# Altium PCB 191228 PCB.PcbDoc (part 1 of 3)
Units mm, origin at the board's own origin, x right, y up, seen from the top; angles counter-clockwise.
Board outline 140 x 119 mm, 6 copper layers (SIGNAL1, GND1, POWER, GND2, SIGNAL2, GND3), stack 1.551 mm thick; 287 components, 145 nets, 826 pads, 579 vias.
Unrouted connection lines stored in the file: 22.
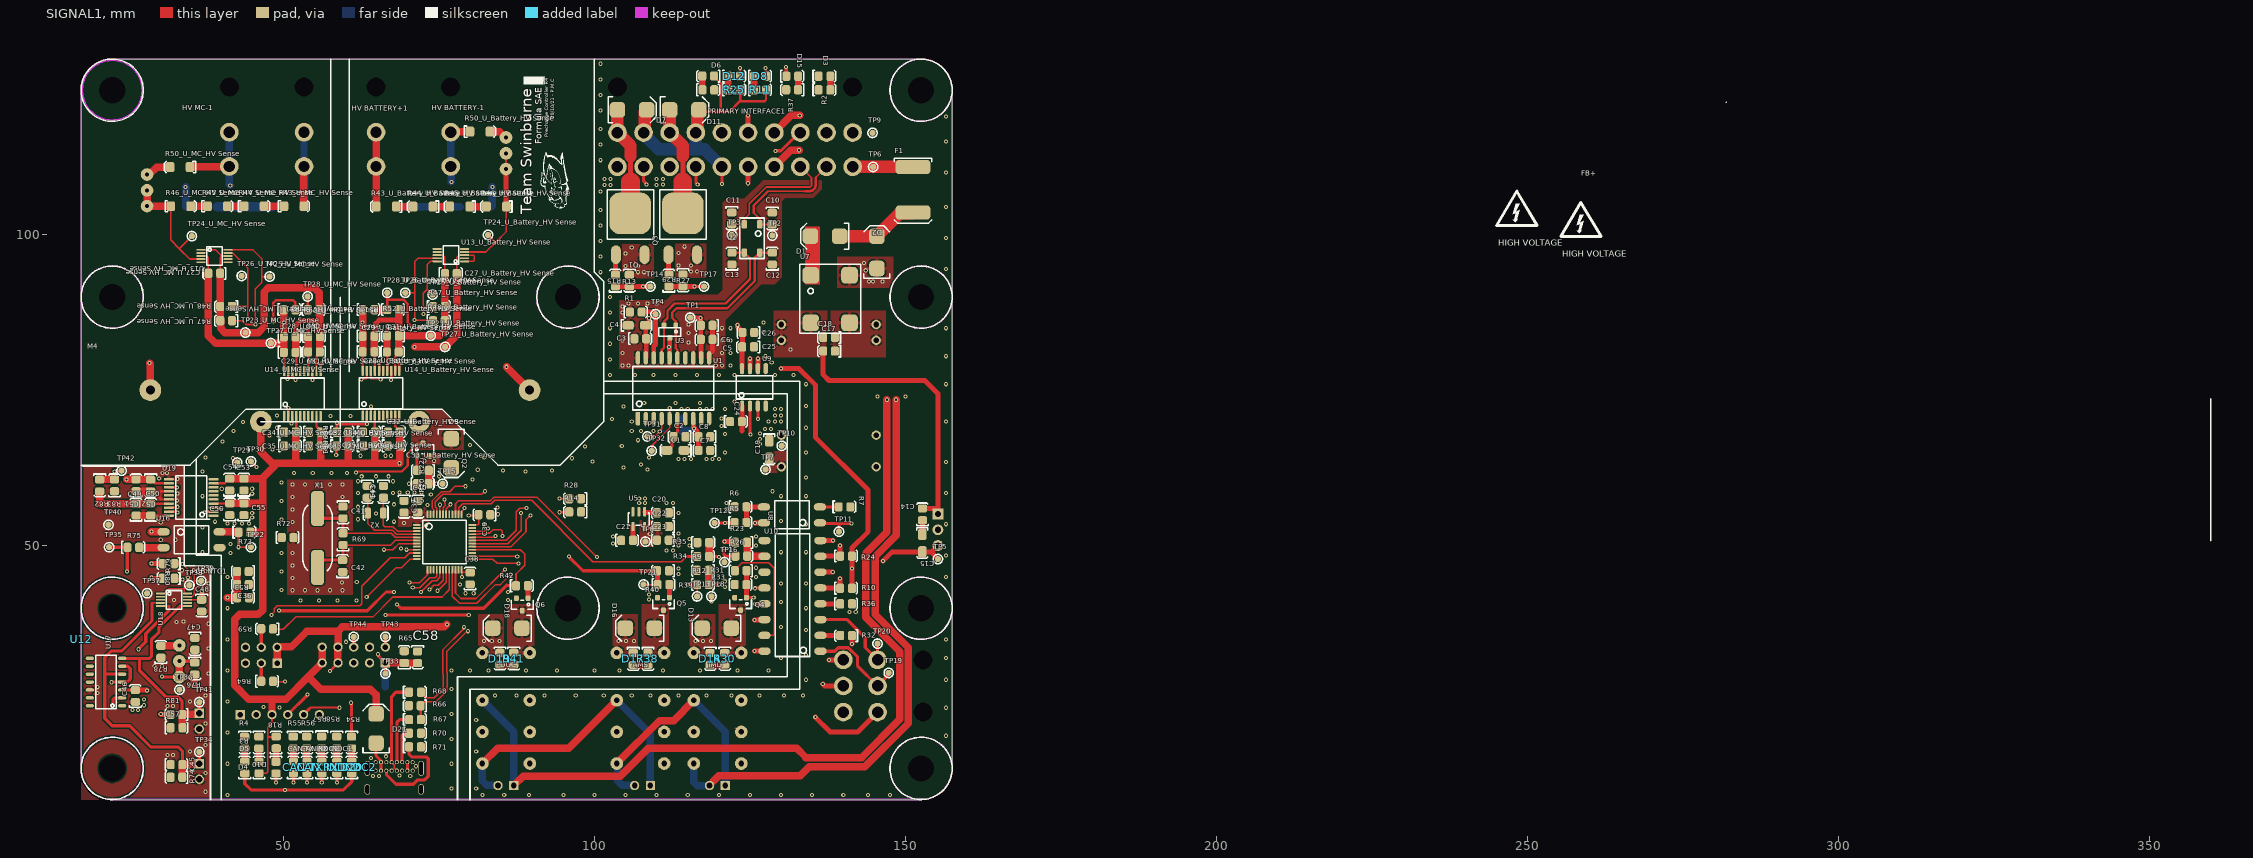
[diagram p0: SIGNAL1 view]
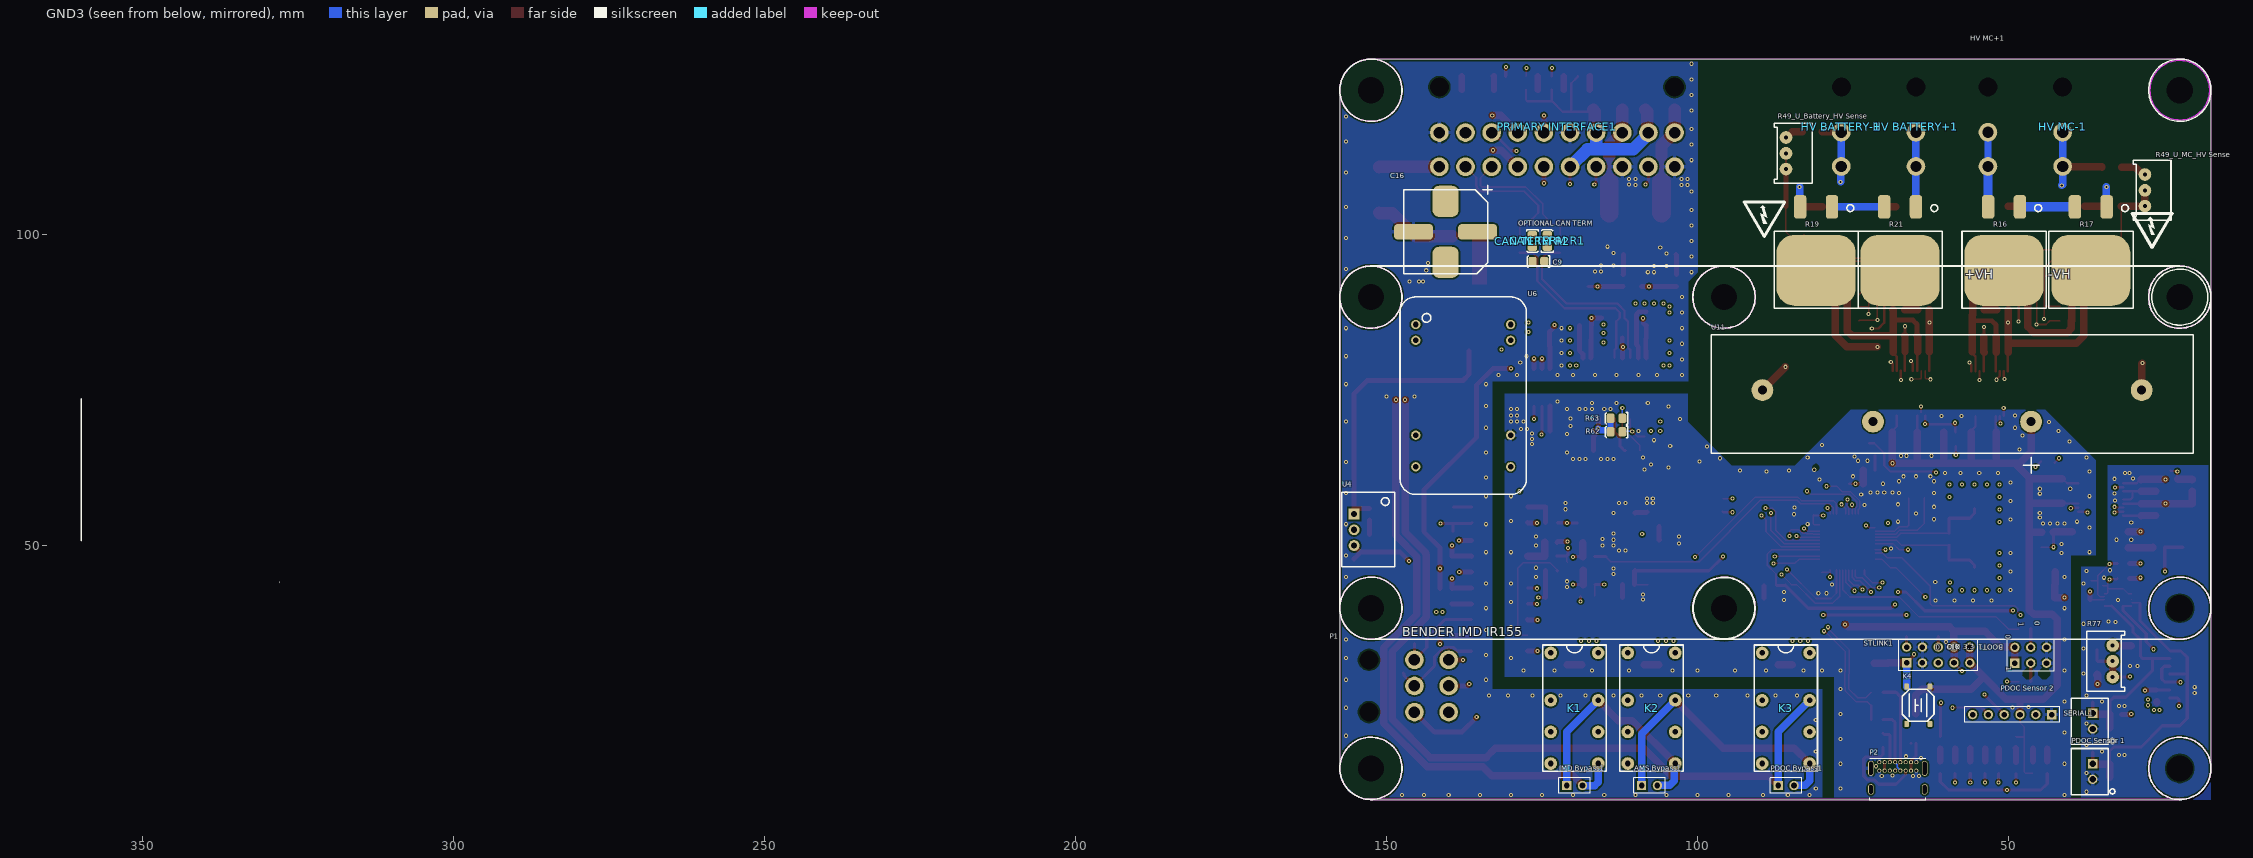
[diagram p1: GND3 view, seen from below]
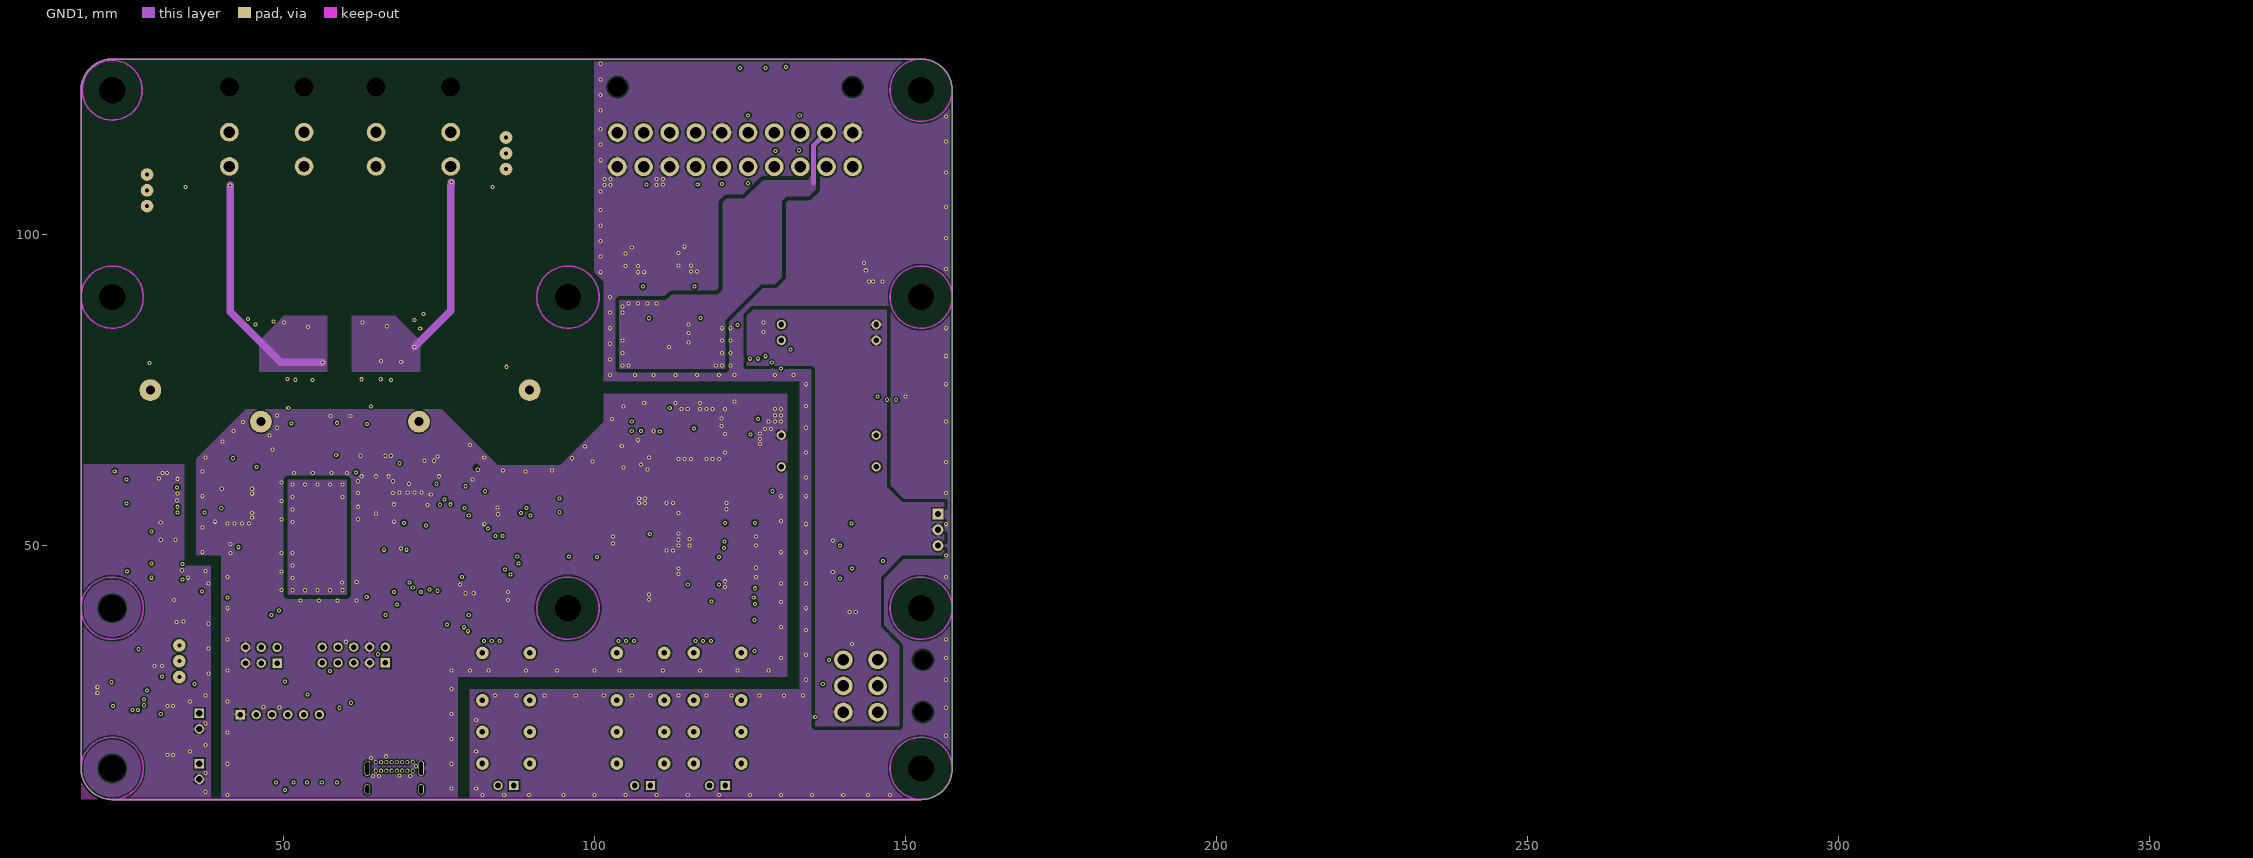
[diagram p2: GND1]
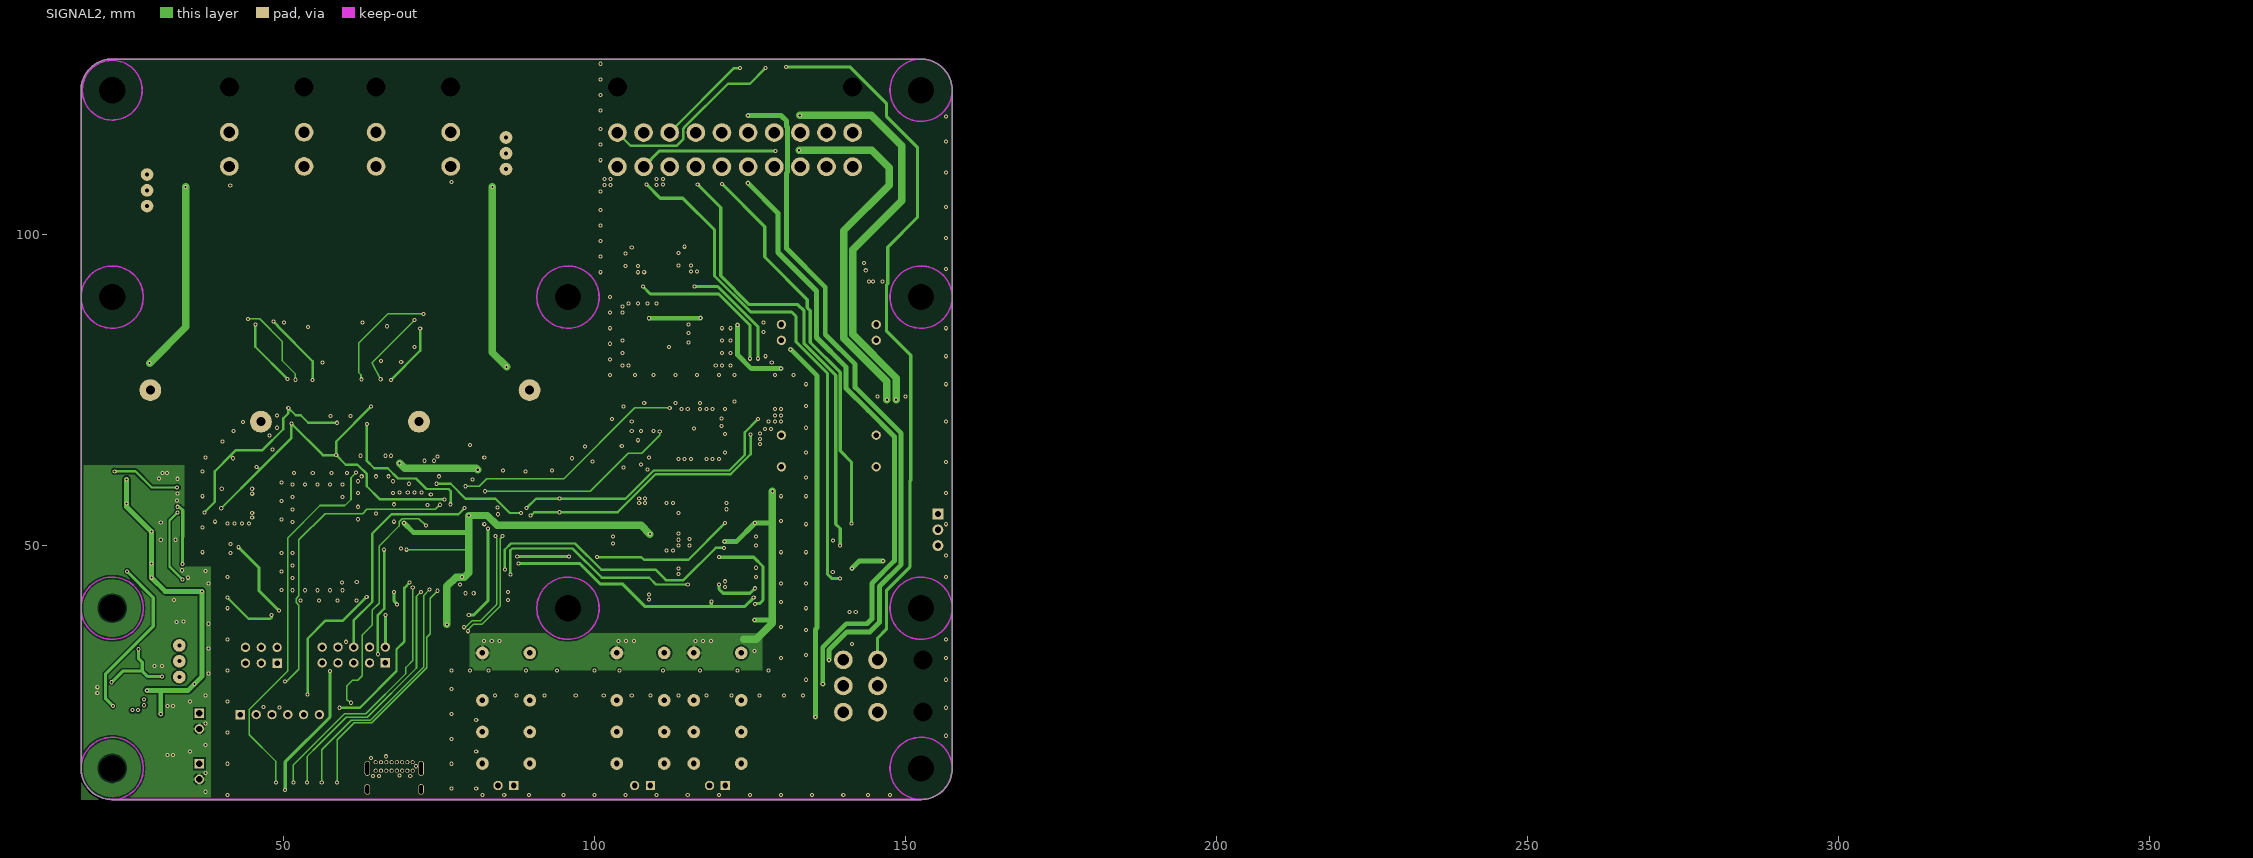
[diagram p3: SIGNAL2]

## Layer stack, top to bottom
Top Solder: solder mask 0.0254, SM-001, Dk 4
SIGNAL1: signal copper 0.035
Dielectric 1: prepreg 0.0711, PP-006, Dk 4.1
Dielectric 2: prepreg 0.0711, PP-006, Dk 4.1
GND1: signal copper 0.035
Dielectric 3: core 0.4572, Core-035, Dk 4.7
POWER: signal copper 0.035
Dielectric 4: prepreg 0.0711, PP-006, Dk 4.1
Dielectric 5: prepreg 0.0711, PP-006, Dk 4.1
GND2: signal copper 0.035
Dielectric 6: core 0.4572, Core-035, Dk 4.7
SIGNAL2: signal copper 0.035
Dielectric 7: prepreg 0.0711, PP-006, Dk 4.1
Dielectric 8: prepreg 0.0711, PP-006, Dk 4.1
GND3: signal copper 0.035
Bottom Solder: solder mask 0.0254, SM-001, Dk 4

## Board outline
17.5,14.25 ccw(c22.5,14.25) 22.5,9.25 152.5,9.25 ccw(c152.5,14.25) 157.5,14.25 157.5,123.25 ccw(c152.5,123.25) 152.5,128.25 22.5,128.25 ccw(c22.5,123.25) 17.5,123.25

## Design rules (kind name [scope] priority, off if disabled: settings)
Clearance "HV - Microclearance" [InNetClass('HV') vs InNetClass('MICROCONTROLLER')] p1: gap=4 ignorepadtopadclearanceinfootprint=TRUE
Clearance "HV - Vehicle" [InNetClass('HV') vs InNetClass('VEHICLE')] p2: gap=4 ignorepadtopadclearanceinfootprint=TRUE
Clearance "HV - PDOC" [InNetClass('HV') vs InNetClass('PDOC (ISO)')] p3: gap=4 ignorepadtopadclearanceinfootprint=TRUE
Clearance [All] p4: gap=0.254 ignorepadtopadclearanceinfootprint=FALSE except(0: Arc-Hole Track-Hole SMDPad-Hole THPad-Hole Via-Hole Fill-Hole Poly-Hole Region-Hole Text-Hole; 0.1: THPad-THPad; 0.152: Arc-SMDPad Track-SMDPad SMDPad-SMDPad; 0.2: Arc-THPad Track-THPad SMDPad-THPad THPad-Via; 0.203: Arc-Arc Arc-Track Arc-Region Track-Track Track-Region SMDPad-Region THPad-Region Via-Region Fill-Region Poly-Region Region-Region; 0.6: Poly-Poly)
DiffPairsRouting USB_DIFF_PAIR [InDifferentialPair('USB')] p1: maxlimit=0.508 minlimit=0.3 mostfreqgap=0.381 toplayer_minwidth=0.2 toplayer_maxwidth=0.381 toplayer_prefwidth=0.254 midlayer1_minwidth=0.2 midlayer1_maxwidth=0.381 midlayer1_prefwidth=0.254 midlayer2_minwidth=0.2 midlayer2_maxwidth=0.381 midlayer2_prefwidth=0.254 midlayer3_minwidth=0.2 midlayer3_maxwidth=0.381 midlayer3_prefwidth=0.254 midlayer4_minwidth=0.2 midlayer4_maxwidth=0.381 midlayer4_prefwidth=0.254 bottomlayer_minwidth=0.2 bottomlayer_maxwidth=0.381 bottomlayer_prefwidth=0.254 maxuncoupledlength=12.7
DiffPairsRouting CAN_DIFF_PAIR [InDifferentialPairClass('CAN_IN')] p2: maxlimit=0.6 minlimit=0.5 mostfreqgap=0.508 toplayer_minwidth=0.2 toplayer_maxwidth=0.25 toplayer_prefwidth=0.203 midlayer1_minwidth=0.2 midlayer1_maxwidth=0.25 midlayer1_prefwidth=0.203 midlayer2_minwidth=0.2 midlayer2_maxwidth=0.25 midlayer2_prefwidth=0.203 midlayer3_minwidth=0.2 midlayer3_maxwidth=0.25 midlayer3_prefwidth=0.203 midlayer4_minwidth=0.2 midlayer4_maxwidth=0.25 midlayer4_prefwidth=0.203 bottomlayer_minwidth=0.2 bottomlayer_maxwidth=0.25 bottomlayer_prefwidth=0.203 maxuncoupledlength=12.7
DiffPairsRouting [All] p3: maxlimit=0.254 minlimit=0.254 mostfreqgap=0.254 toplayer_minwidth=0.381 toplayer_maxwidth=0.381 toplayer_prefwidth=0.381 midlayer1_minwidth=0.381 midlayer1_maxwidth=0.381 midlayer1_prefwidth=0.381 midlayer2_minwidth=0.381 midlayer2_maxwidth=0.381 midlayer2_prefwidth=0.381 midlayer3_minwidth=0.381 midlayer3_maxwidth=0.381 midlayer3_prefwidth=0.381 midlayer4_minwidth=0.381 midlayer4_maxwidth=0.381 midlayer4_prefwidth=0.381 bottomlayer_minwidth=0.381 bottomlayer_maxwidth=0.381 bottomlayer_prefwidth=0.381 maxuncoupledlength=12.7
Height [All] p1: minheight=0 maxheight=50 prefheight=12.7
HoleSize [All] p1: absolutevalues=TRUE maxlimit=10 minlimit=0.025 maxpercent=80.000 minpercent=20.000
MatchedLengths DiffPair_MatchedLengths [InDifferentialPairClass('CAN_IN')] p1: tolerance=25.4 checknetsindiffpair=FALSE checkdiffpairvsdiffpair=TRUE checkxsignals=TRUE checkothers=TRUE
PlaneClearance [All] p1: clearance=0.4
PlaneConnect [All] p1: pad.planeconnectstyle=Relief pad.reliefexpansion=0.508 pad.reliefentries=4 pad.reliefconductorwidth=0.8 pad.reliefairgap=0.254 via.planeconnectstyle=Direct via.reliefexpansion=0.508 via.reliefentries=4 via.reliefconductorwidth=0.8 via.reliefairgap=0.254
PolygonConnect [All] p1: thpad.connectstyle=Relief thpad.reliefconductorwidth=0.6 thpad.reliefentries=4 thpad.polygonreliefangle="90 Angle" thpad.airgapwidth=0.254 smdpad.connectstyle=Relief smdpad.reliefconductorwidth=0.6 smdpad.reliefentries=4 smdpad.polygonreliefangle="90 Angle" smdpad.airgapwidth=0.254 via.connectstyle=Direct via.reliefconductorwidth=0.6 via.reliefentries=4 via.polygonreliefangle="90 Angle" via.airgapwidth=0.254
RoutingVias [All] p1: holewidth=0.711 width=1.27 viastyle="Through Hole" minholewidth=0.203 minwidth=0.254 maxholewidth=0.711 maxwidth=1.27
SolderMaskExpansion [All] p1: expansion=0.051 istentingtop=FALSE
Width [All] p1: maxlimit=3 minlimit=0.127 preferedwidth=0.5
25 further rules are at their usual default settings.

## Classes and differential pairs
differential pair class USB_DIFF_PAIR: USB
net class VEHICLE: 0V 5V "5V (CAN)" 12V/24V "12V/24V (Filtered)" "AIR Power" AIR+ "AIR+ Feedback Out" AIR- "AIR- Feedback Out" CAN_CMF_N CAN_CMF_P CAN_N CAN_P CANS GLV+ GLV- "Green In" "Green Out" "IMD Data" "IMD OK" "NetAMS Bypass1_1" "NetAMS Bypass1_2" NetC9_2 NetD1_A NetD3_K NetD6_K NetD8_A NetD12_A NetD15_K NetK1_4 NetK1_6 NetK1_8 NetK1_11 NetK2_4 NetK2_6 NetK2_8 NetK2_11 NetK3_4 NetK3_6 NetK3_8 NetK3_11 NetQ1_G NetQ3_G NetR1_2 NetR7_1 NetR13_1 NetR27_1 NetR32_2 NetR36_1 NetU1_14
net class MICROCONTROLLER: "0V (Crystal 16MHZ)" "0V (ISO)" "3.3V (ISO)" 3V3_BP "5V (ISO)" "AIR+ (ISO)" "AIR+ Feedback (ISO)" "AIR- (ISO)" "AIR- Feedback (ISO)" "AMS OK (ISO)" AMS_OC BOOT0 BOOT1 "CAN RX" "CAN RX INDC" "CAN TX" "CAN TX INDC" "IMD Data (ISO)" "IMD OK (ISO)" IMD_OC LED2 LED3 "NetCAN RX INDC1_K" "NetCAN RX INDC2_K" "NetCAN TX INDC1_K" "NetCAN TX INDC2_K" NetD4_K NetD5_K NetD10_A NetD14_K NetD17_K NetD19_K NetD20_K NetD21_A NetK4_1 NetK4_3 NetP2_A5 NetP2_A6 NetP2_A7 NetP2_A8 NetP2_B5 NetP2_B8 NetQ2_G NetQ5_G NetQ6_G NetR5_1 NetR5_2 NetR9_1 NetR23_1 NetR31_2 NetR34_2 NetR59_1 NetR64_2 NetSERIAL1_2 NetSERIAL1_6 NetSTLINK1_5 NetU1_2 NetU15_11 NetU15_14 NetU15_15 NetU15_27 NetU15_40 NetU15_41 nRST PC13 "PCB TEMP" PCH_OC "PDOC OK (ISO)" PDOC_OC "Precharge Relay (ISO)" SCL SDA SWCLK SWDIO UARTRX UARTTX USB_N USB_P XTALA XTALB XTALC XTALD
net class HV: "HV Battery+" "HV Battery-" "HV MC+" "HV MC-" "Measure_U_Battery_HV Sense" "Measure_U_MC_HV Sense" NetR16_1 NetR17_1 NetR19_1 NetR19_2 "NetR43_U_Battery_HV Sense_1" "NetR43_U_MC_HV Sense_1" "NetR44_U_Battery_HV Sense_1" "NetR44_U_MC_HV Sense_1" "NetR45_U_Battery_HV Sense_1" "NetR45_U_MC_HV Sense_1" "NetR49_U_Battery_HV Sense_1" "NetR49_U_MC_HV Sense_1" "NetU13_U_Battery_HV Sense_2" "NetU13_U_Battery_HV Sense_5" "NetU13_U_Battery_HV Sense_6" "NetU13_U_Battery_HV Sense_7" "NetU13_U_MC_HV Sense_2" "NetU13_U_MC_HV Sense_5" "NetU13_U_MC_HV Sense_6" "NetU13_U_MC_HV Sense_7" "SCL_U_Battery_HV Sense" "SCL_U_MC_HV Sense" "SDA_U_Battery_HV Sense" "SDA_U_MC_HV Sense" "VDDISO_U_Battery_HV Sense" "VDDISO_U_MC_HV Sense" "VSEL_U_Battery_HV Sense" "VSEL_U_MC_HV Sense"
differential pair class CAN_IN: CAN CAN_CMF
net class "PDOC (ISO)": GNDISO NetR75_2 NetR77_3 NetU17_2 NetU17_6 NetU17_7 "PDOC OK" "PDOC Temperature Amp Measure 1" "PDOC Temperature Amp Measure 2" "PDOC Temperature Ref" SCL SDA VDDISO VSEL
channel class "HV Sense": "U_Battery_HV Sense" "U_MC_HV Sense"
component class "U_Battery_HV Sense": "C27_U_Battery_HV Sense" "C28_U_Battery_HV Sense" "C29_U_Battery_HV Sense" "C30_U_Battery_HV Sense" "C31_U_Battery_HV Sense" "C32_U_Battery_HV Sense" "C34_U_Battery_HV Sense" "C35_U_Battery_HV Sense" "R43_U_Battery_HV Sense" "R44_U_Battery_HV Sense" "R45_U_Battery_HV Sense" "R46_U_Battery_HV Sense" "R47_U_Battery_HV Sense" "R48_U_Battery_HV Sense" "R49_U_Battery_HV Sense" "R50_U_Battery_HV Sense" "R51_U_Battery_HV Sense" "R52_U_Battery_HV Sense" "TP23_U_Battery_HV Sense" "TP24_U_Battery_HV Sense" "TP25_U_Battery_HV Sense" "TP26_U_Battery_HV Sense" "TP27_U_Battery_HV Sense" "TP28_U_Battery_HV Sense" "U13_U_Battery_HV Sense" "U14_U_Battery_HV Sense"
component class "U_MC_HV Sense": "C27_U_MC_HV Sense" "C28_U_MC_HV Sense" "C29_U_MC_HV Sense" "C30_U_MC_HV Sense" "C31_U_MC_HV Sense" "C32_U_MC_HV Sense" "C33_U_MC_HV Sense" "C34_U_MC_HV Sense" "C35_U_MC_HV Sense" "R43_U_MC_HV Sense" "R44_U_MC_HV Sense" "R45_U_MC_HV Sense" "R46_U_MC_HV Sense" "R47_U_MC_HV Sense" "R48_U_MC_HV Sense" "R49_U_MC_HV Sense" "R50_U_MC_HV Sense" "R51_U_MC_HV Sense" "R52_U_MC_HV Sense" "TP23_U_MC_HV Sense" "TP24_U_MC_HV Sense" "TP25_U_MC_HV Sense" "TP26_U_MC_HV Sense" "TP27_U_MC_HV Sense" "TP28_U_MC_HV Sense" "U13_U_MC_HV Sense" "U14_U_MC_HV Sense"
component class U_PDOC: C45 C46 C47 C48 C49 C50 C51 C52 C53 C54 C55 C56 C57 FTDI1 "PDOC Sensor 1" "PDOC Sensor 2" R73 R74 R75 R76 R77 R78 R79 R80 R81 R82 R83 RESET1 TP34 TP35 TP36 TP37 TP38 TP39 TP40 TP41 TP42 U16 U17 U18 U19
component class U_Microcontroller: BOOT1 C36 C37 C38 C39 C40 C41 C42 C43 C44 C58 "CAN RX INDC1" "CAN RX INDC2" "CAN TX INDC1" "CAN TX INDC2" D20 D21 K4 P2 "PCB NTC1" R53 R54 R55 R56 R57 R58 R59 R60 R61 R62 R63 R64 R65 R66 R67 R68 R69 R70 R71 R72 SERIAL1 STLINK1 TP29 TP30 TP31 TP32 TP33 TP43 TP44 U15 X1 X2
component class "U_Safety Loops": "AMS Bypass1" D13 D14 D15 D16 D17 D18 D19 "IMD Bypass1" K1 K2 K3 "PDOC Bypass1" Q4 Q5 Q6 R30 R31 R32 R33 R34 R35 R36 R37 R38 R39 R40 R41 R42 TP18 TP19 TP20 TP21 TP22 U10
component class U_Precharge: C24 C25 C26 D6 D7 D8 D9 D10 D11 D12 Q1 Q2 Q3 R5 R6 R7 R8 R9 R10 R11 R12 R13 R14 R15 R16 R17 R18 R19 R20 R21 R22 R23 R24 R25 R26 R27 R28 R29 TP11 TP12 TP13 TP14 TP15 TP16 TP17 U8 U9 U11
component class "U_Power Supply": C14 C15 C16 C17 C18 C19 C20 C21 C22 C23 D1 D2 D3 D4 D5 F1 R2 R3 R4 TP5 TP6 TP7 TP8 TP9 TP10 U4 U5 U6 U7
component class U_CAN: C1 C2 C3 C4 C5 C6 C7 C8 C9 C10 C11 C12 C13 "CAN TERM R1" "CAN TERM R2" R1 TP1 TP2 TP3 TP4 U1 U2 U3
component class "Top Level": "HV BATTERY+1" "HV BATTERY-1" "HV MC+1" "HV MC-1" "IMD INTERFACE1" P1 "PRIMARY INTERFACE1" U12